# Altium PCB DI543.PcbDoc (part 6 of 8) (continued)
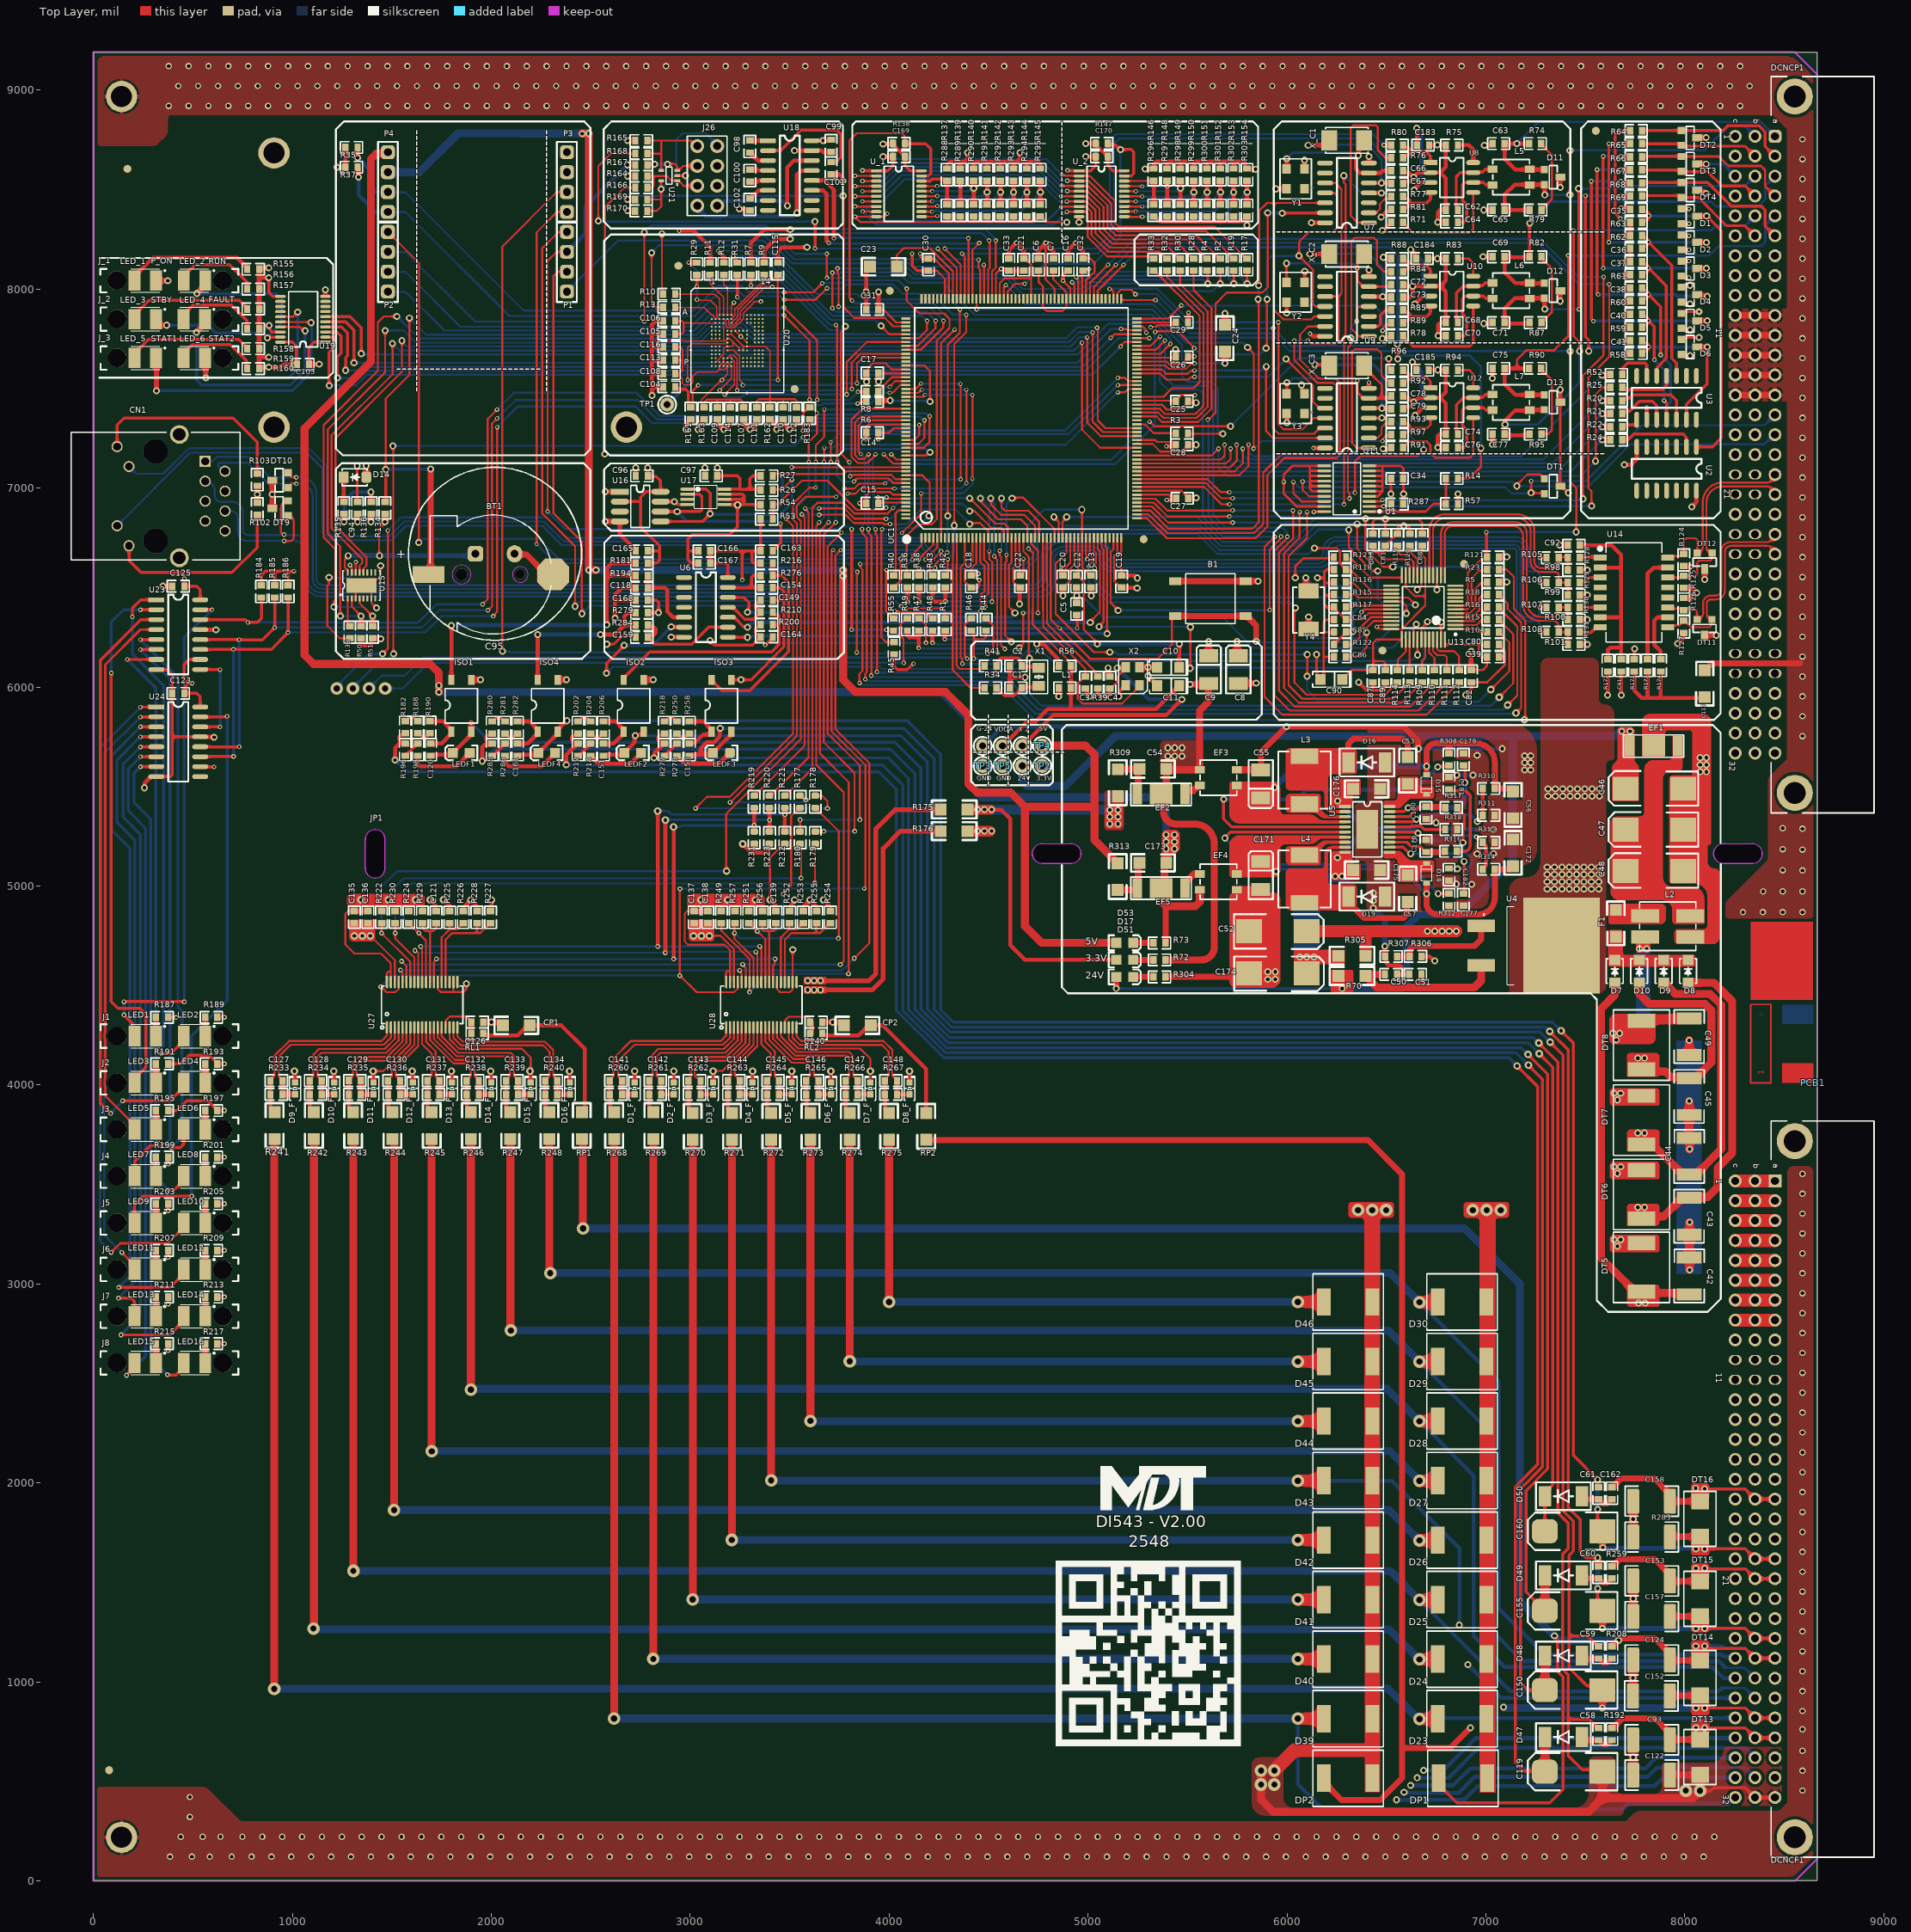
[diagram p0: Top Layer view]
## Nets (pads, with @x,y where several pads share a name; then routed paths per layer and width w, separated by ;. In a path a pad name is that pad's centre, name@x,y a point inside that pad or via, vN(x,y) a via of type N, cw(c..) or ccw(c..) an arc to the next point about the centre after c; other vN are vias at no path point) (continued)
  other v1: 1453.74,6166.36
  other v7: 1223.4,5993.11
NetR44_2: R44.2 R46.2 UC1.29 | length 1151.7
  Top Layer w10: R46.2@4414.5,6283.78 4426,6272.28 4426,6240.16 ; v3(4426,6143) 4426,6240.16 ; R44.2@4488.08,6283.78 4488.08,6253.83 4474.41,6240.16 4426,6240.16 ; v1(4654.53,6197.83) 4674.21,6217.52 v3(4674.21,6373.03) ; UC1.29@4714.4,6750.34 4714.43,6719.63 4748.46,6685.6 4748.46,6373.05 v3@4750.74,6375.33
  Bottom Layer w10: v3(4426,6143) 4426.5,6143.5 4444.1,6143.5 4450.1,6137.5 4594.19,6137.5 v1(4654.53,6197.83) ; v3(4674.21,6373.03) v3(4748.44,6373.03)
NetR45_2: R45.2 UC1.197 | length 1185.9
  Top Layer w10: v3(3964.37,6793.92) 3962.08,6791.63 3962.08,6781.72 3961.2,6780.85 3961.2,6250.41 3985.73,6225.88 R45.2@4024.99,6225.88 ; UC1.197@4084.48,7065.3 4165.7,7065.3 4204,7027 4204,6869.07 4203.74,6868.81 4203.74,6866.62 4200,6862.88 v1(4200,6860.18)
  Bottom Layer w10: v3(3964.37,6793.92) 3964.58,6793.72 4048.43,6793.72 4054.46,6799.75 4139.57,6799.75 v1(4200,6860.18)
NetR46_1: R46.1 | length 3293.1
  Top Layer w10: v3(4392.8,6143) 4392.8,6145.85 4379.92,6158.73 4379.92,6313.71 4408.76,6342.54 R46.1@4408.76,6344.78
  Bottom Layer w10: v7@1384.98,5993.11 1449.94,6058.07 1564.96,6058.07 1654.89,6148 4380.94,6148 4383.64,6145.3 4390.5,6145.3 v3(4392.8,6143)
  other v7: 1385.49,5993.11
NetR47_2: R47.2 R49.2 UC1.30 | length 1735.2
  Top Layer w10: R49.2@4091.66,6283.78 R49.2@4093.33,6282.11 ; v1(4511.81,6949.8) 4512.82,6948.8 4512.82,6917.3 4563.98,6866.14 4679.13,6866.14 4733.77,6811.5 4733.77,6811.19 ; v9(4529,6658) 4529,6655.02 4543.35,6640.68 4543.35,6173.19 v3(4545.28,6171.26) ; UC1.30@4734.09,6750.34 4734.09,6811.19
  Top Layer w15: R49.2@4093.33,6282.11 4093.33,6254.11 4099.41,6248.03 4148.62,6248.03
  Top Layer w20: v3(4148.76,6196.44) 4148.76,6277.78 4152.42,6281.45 R47.2@4152.42,6283.78
  Bottom Layer w10: v3(4148.76,6196.44) 4151.05,6194.15 4159.54,6194.15 4160.4,6193.28 4523.25,6193.28 v3(4545.28,6171.26) ; v1(4511.81,6949.8) 4511.81,6943.04 4529,6925.85 v9(4529,6658)
NetR48_2: R48.2 UC1.31 | length 1557.2
  Top Layer w10: v3(4556,6685) 4556,6661.52 4563.35,6654.17 4563.35,6210.35 4581.69,6192.01 v3(4581.69,6191.93) ; v1(4564.96,6949.8) 4564.96,6904.53 4582.68,6886.81 4699.8,6886.81 4753.77,6832.84 UC1.31@4753.77,6750.34
  Top Layer w20: R48.2@4216.14,6283.78 4217.52,6282.4 v3@4217.52,6222.44
  Bottom Layer w10: v3@4217.52,6222.44 4221.75,6222.44 4229.88,6214.32 4559.31,6214.32 v3(4581.69,6191.93) ; v3(4556,6685) 4556,6687.9 4564.96,6696.86 v1(4564.96,6949.8)
  other v3: 4218.5,6222.44
NetR49_1: R49.1 | length 2904.8
  Top Layer w10: v3(4074,6122) 4072.83,6123.17 4072.83,6242.13 4058.07,6256.89 4058.07,6317.64 4074.21,6333.78 4077.71,6333.78 R49.1@4088.71,6344.78
  Bottom Layer w10: v7@1466.54,5994.09 1556.1,5994.09 1684.24,6122.24 4073.76,6122.24 v3(4074,6122)
  other v7: 1466.54,5993.11
NetR50_2: R50.2 U15.2 UC1.75 | length 6203.6
  Top Layer w10: v1(1241.14,6357.28) v1(1241.14,6357.28) 1241.1,6707.72 1177.44,6771.38 1177.44,7293.58 1466.54,7582.68 v1(1466.54,7792.32) ; U15.2@1298.6,6445.75 1298.6,6404.15 v1(1346.06,6356.69) ; v3(5022.81,7783) 5023,7782.81 5023,7334 5075.16,7281.84 UC1.75@5245.9,7281.84
  Top Layer w25: R50.2@1346.06,6306.4 v1(1346.06,6356.69)
  Bottom Layer w10: v1(1241.14,6357.28) 1241.44,6356.99 1345.77,6356.99 v1(1346.06,6356.69) ; v1(1466.54,7792.32) 1560.04,7792.32 1620.76,7731.6 3048.6,7731.6 3124.66,7807.66 3255.34,7807.66 3328.99,7734 4905,7734 4955.16,7784.16 5021.65,7784.16 v3(5022.81,7783)
NetR51_2: R51.2 U15.4 UC1.76 | length 6395.4
  Top Layer w10: v1(1208.6,6402.56) 1208.6,6431.75 1216.91,6440.06 1216.91,6692.54 1157.44,6752.01 1157.44,7316.89 1430.12,7589.57 1430.12,7832.68 1460.63,7863.19 v1(1525.59,7863.19) ; U15.4@1337.98,6445.75 1337.98,6422.01 v1(1403.3,6356.69) ; v3(5045.83,7806.02) 5048.12,7803.72 5048.12,7794.45 5049.48,7793.1 5049.48,7340.52 5088.48,7301.52 UC1.76@5245.9,7301.52
  Top Layer w25: R51.2@1403.3,6306.4 v1@1403.3,6360.48
  Bottom Layer w10: v1(1208.6,6402.56) 1357.43,6402.56 v1(1403.3,6356.69) ; v1(1525.59,7863.19) 1526.57,7863.19 1638.17,7751.6 3040.31,7751.6 3116.47,7827.76 3263.78,7827.76 3337.54,7754 4890,7754 4945.1,7809.1 5033.48,7809.1 5034.26,7808.32 5043.53,7808.32 v3(5045.83,7806.02)
NetR52_1: R52.1 UC1.64 | length 2723.3
  Top Layer w10: UC1.64@5245.9,7065.3 5761.3,7065.3 5806.14,7110.14 5806.14,7217.83 v3(5807.21,7218.9) ; R52.1@7621.32,7567 R52.1@7626,7571.68
  Top Layer w25: v1(7585,7567) R52.1@7621.32,7567
  Bottom Layer w10: v3(5807.21,7218.9) 5806.14,7217.83 5806.14,7184.02 5829.66,7160.5 7178.5,7160.5 v1(7585,7567)
NetR53_1: R53.1 R54.1 UC1.203 | length 911.2
  Top Layer w10: R53.1@3415.43,6844.72 R54.1@3415.43,6917.04 3417.06,6918.67 3441.67,6918.67 3561,7038 3690,7038 3837.25,6890.75 3973.2,6890.75 3983.96,6901.51 v3(3984.82,6901.51) ; v3(3987.21,6954.28) 3990.46,6954.28 3997.55,6947.19 UC1.203@4084.48,6947.19
  Bottom Layer w10: v3(3984.82,6901.51) 3986.02,6902.71 3986.02,6953.09 v3(3987.21,6954.28)
NetR71_1: R71.1 U8.5 | length 566.8
  Top Layer w11.81: R71.1@6585,8336.94 6585,8333.44 6633.44,8285 6920,8285 6936.5,8301.5 U8.5@6936.5,8486.38
NetR74_1: R74.1 R79.2 | length 376.8
  Top Layer w11.81: R74.1@7279,8732 7279,8728.5 7331.69,8675.81 7331.69,8452.19 7281,8401.5 R79.2@7281,8398
NetR75_2: R75.2 U8.8 | length 152.2
  Top Layer w20: R75.2@6860,8724.22 6915.78,8724.22 6936.5,8703.5 U8.8@6936.5,8636.38
NetR76_1: R76.1 R80.2 U8.1 | length 256.9
  Top Layer w15: R76.1@6585,8659.68 6585,8663.02 6593.5,8671.52 6610.48,8671.52 6619.27,8680.31 6619.27,8691.95 ; R80.2@6585,8724.22 6585,8720.88 6593.5,8712.38 6610.48,8712.38 6619.27,8703.59 6619.27,8691.95 ; U8.1@6721.5,8636.38 6721.5,8668.5 6698.05,8691.95 6619.27,8691.95
NetR76_2: R76.2 U7.1 | length 892.6
  Top Layer w10: U7.1@6412,8334 6356,8334 6320.87,8369.13 6320.87,8810.84 6334.03,8824 6448,8824 6457.68,8814.32 6457.68,8697.32 6495.32,8659.68 R76.2@6524,8659.68
NetR77_1: R77.1 R81.2 U8.4 | length 253.6
  Top Layer w15: R81.2@6585,8404.91 6585,8405.03 6593.5,8413.53 6610.32,8413.53 6619.11,8422.32 6619.11,8433.7 ; R77.1@6585,8465.89 6585,8462.58 6593.5,8454.08 6610.32,8454.08 6619.11,8445.29 6619.11,8433.7 ; U8.4@6721.5,8486.38 6721.5,8451.5 6703.7,8433.7 6619.11,8433.7
NetR77_2: R77.2 U7.2 | length 163.3
  Top Layer w10: U7.2@6412,8384 6414.68,8386.68 6451.64,8386.68 6467.52,8402.56 6467.52,8428.52 6493,8454 6506.71,8454 6506.79,8454.07 6515.5,8454.07 6524,8462.57 R77.2@6524,8466.07
NetR78_1: R78.1 U10.5 | length 566.8
  Top Layer w15: R78.1@6585,7766 6585,7762.5 6633.5,7714 ; 6633,7714 6919.5,7714 6936,7730.5 ; 6936.5,7730.5 U10.5@6936.5,7915.38
NetR80_1: R80.1 UC1.146 | length 3071
  Top Layer w10: v3(4279.46,8203.85) 4280.61,8202.7 4281.76,8201.55 4360.07,8123.24 UC1.146@4360.07,7951.13 ; R80.1@6523.78,8724 R80.1@6524,8724.22
  Top Layer w20: v4(6488,8724) R80.1@6523.78,8724
  Bottom Layer w10: v3(4279.46,8203.85) 4280.61,8205 5044,8205 5110,8271 5110,8747 5142.53,8779.53 6432.47,8779.53 v4(6488,8724)
NetR81_1: R81.1 UC1.145 | length 3313.3
  Top Layer w10: v3(4366.14,8179) 4379.76,8165.38 UC1.145@4379.76,7951.13
  Top Layer w20: v1(6474.07,8362.93) 6503.18,8392.04 6518,8392.04 6524,8398.04 R81.1@6524,8401.54
  Bottom Layer w10: v3(4366.14,8179) 5049,8179 5131,8261 5131,8732 5156.87,8757.87 6406.5,8757.87 6513.78,8650.59 6513.78,8404.13 6474.07,8364.43 v1(6474.07,8362.93)
NetR82_1: R82.1 R87.2 | length 374.3
  Top Layer w11.81: R82.1@7279,8161 7279,8157.5 7331.69,8104.81 7331.69,7883.69 7293.59,7845.59 7290.09,7845.59 7280,7835.5 R87.2@7280,7832
NetR83_2: R83.2 U10.8 | length 151.9
  Top Layer w11.81: R83.2@6860,8153.83 6914.17,8153.83 6936.5,8131.5 U10.8@6936.5,8065.38
NetR84_1: R84.1 R88.2 U10.1 | length 253.3
  Top Layer w15: R84.1@6585,8088.68 6585,8091.81 6593.5,8100.31 6610.37,8100.31 6619.27,8109.2 6619.27,8120.95 ; R88.2@6585,8149.72 6585,8149.49 6593.5,8140.99 6610.48,8140.99 6619.27,8132.21 6619.27,8120.95 ; U10.1@6721.5,8065.38 6721.5,8097.5 6698.05,8120.95 6619.27,8120.95
NetR84_2: R84.2 U9.1 | length 892.5
  Top Layer w10: U9.1@6412,7763 6362.98,7763 6324,7801.98 6324,8241 6342,8259 6437.85,8259 6452.74,8244.11 6452.74,8122.26 6486.32,8088.68 R84.2@6524,8088.68
NetR85_1: R85.1 R89.2 U10.4 | length 250.2
  Top Layer w15: R89.2@6585,7833.91 6585,7833.97 6593.5,7842.47 6610.32,7842.47 6619.11,7851.25 6619.11,7862.7 ; R85.1@6585,7891.45 6593.5,7882.95 6610.32,7882.95 6619.11,7874.16 6619.11,7862.7 ; U10.4@6721.5,7915.38 6721.5,7880.5 6703.7,7862.7 6619.11,7862.7
NetR85_2: R85.2 U9.2 | length 172.7
  Top Layer w15: U9.2@6412,7813 6459.72,7813 6469.5,7822.78 6469.5,7868.5 6495.89,7894.89 R85.2@6524,7894.94
NetR88_1: R88.1 UC1.105 | length 1949.2
  Top Layer w10: UC1.105@5167.16,7951.13 5167.16,7945.91 5167.88,7945.19 5339.05,7945.19 v3(5339.68,7945.81) ; R88.1@6523.17,8152 R88.1@6524,8152.83
  Top Layer w20: v1(6485.24,8160.43) 6488.11,8157.56 6518,8157.56 6523.17,8152.4 R88.1@6523.17,8152
  Bottom Layer w10: v3(5339.68,7945.81) 5342.32,7945.81 5510.13,7778 5956.25,7778 6018.57,7715.68 6490.68,7715.68 6528.54,7753.54 6528.54,8122.81 6490.92,8160.43 v1(6485.24,8160.43)
NetR89_1: R89.1 UC1.104 | length 1430.6
  Top Layer w10: UC1.104@5245.9,7852.7 5403.7,7852.7 v3(5469.15,7918.15) ; v4(6481.3,7791.42) 6483.98,7794.1 6483.98,7806.81 6498.86,7821.69 6515.22,7821.69 R89.1@6524,7830.47
  Bottom Layer w10: v3(5469.15,7918.15) 5469.86,7917.45 6439.36,7917.45 6481.3,7875.51 v4(6481.3,7791.42)
NetR90_1: R90.1 R95.2 | length 390.9
  Top Layer w11.81: R90.1@7279,7600 7279,7596.5 7332,7543.5 7332,7291 7313.45,7272.45 7283.95,7272.45 R95.2@7281,7269.5
NetR91_1: R91.1 U12.5 | length 612.7
  Top Layer w11.81: R91.1@6585,7205 6585,7208.5 6595.09,7218.59 6598.59,7218.59 6615,7235 6702,7235 6722,7215 6722,7179 6748,7153 6920,7153 6936.5,7169.5 U12.5@6936.5,7354.38
NetR92_1: R92.1 R96.2 U12.1 | length 257.2
  Top Layer w11.81: R92.1@6585,7527.68 6585,7531.18 6595.09,7541.28 6612.35,7541.28 6619.27,7548.2 6619.27,7559.95 ; R96.2@6585,7592.22 6585,7588.72 6595.09,7578.63 6612.35,7578.63 6619.27,7571.71 6619.27,7559.95 ; U12.1@6721.5,7504.38 6721.5,7536.5 6698.05,7559.95 6619.27,7559.95
NetR92_2: R92.2 U11.1 | length 892.8
  Top Layer w10: U11.1@6412,7202 6352.79,7202 6327.76,7227.03 6327.76,7685.76 6340,7698 6455,7698 6475,7678 6475,7566 6499.79,7541.21 6513.91,7541.21 6524,7531.12 R92.2@6524,7527.68
NetR93_1: R93.1 R97.2 U12.4 | length 257.4
  Top Layer w11.81: R97.2@6585,7269.44 6585,7272.91 6595.09,7283 6612.19,7283 6619.11,7289.92 6619.11,7301.7 ; R93.1@6585,7333.89 6585,7330.49 6595.09,7320.39 6612.19,7320.39 6619.11,7313.47 6619.11,7301.7 ; U12.4@6721.5,7354.38 6721.5,7319.5 6703.7,7301.7 6619.11,7301.7
NetR93_2: R93.2 U11.2 | length 166.9
  Top Layer w10: U11.2@6412,7252 6413.59,7253.59 6456.59,7253.59 6475,7272 6475,7305 6495.06,7325.06 6518,7325.06 6524,7331.06 R93.2@6524,7333.89
NetR94_2: R94.2 U12.8 | length 154.3
  Top Layer w11.81: R94.2@6860,7593 6918,7593 6936.5,7574.5 U12.8@6936.5,7504.38
NetR96_1: R96.1 UC1.193 | length 2893.5
  Top Layer w10: v3(4010.84,7170.29) 4010.84,7169.63 4036.43,7144.04 UC1.193@4084.48,7144.04 ; v3(5310,7334.58) 5333.48,7311.1 5716.46,7311.1 v1(5716.54,7311.02) ; v1(6512.8,7650.59) 6512.8,7612.5 6513,7612.29 6513,7603.14 R96.1@6524,7592.14
  Bottom Layer w10: v3(4010.84,7170.29) 4011.54,7170.29 4039.83,7142 5117.42,7142 v3(5310,7334.58) ; v1(5716.54,7311.02) 6058.09,7652.58 6510.81,7652.58 v1(6512.8,7650.59)
NetR97_1: R97.1 UC1.142 | length 2742.8
  Top Layer w10: UC1.142@4438.81,7951.13 4439.66,7950.28 4439.66,7899.45 v3(4440.51,7898.6) ; v1(5802.17,7707.68) 5833.21,7676.63 5833.21,7199.91 v3(5832.14,7198.84) ; v3@6480.46,7237.54 6483.36,7240.45 6483.36,7249.36 6498.86,7264.86 6519.33,7264.86 R97.1@6524,7269.52
  Bottom Layer w10: v3(4440.51,7898.6) 4441.06,7898.05 5324.13,7898.05 5491.87,7730.32 5779.53,7730.32 v1(5802.17,7707.68) ; v3(5832.14,7198.84) 5834.77,7198.84 5872.87,7236.94 v3(6481.06,7236.94)
NetR104_1: R104.1 UC1.38 | length 3262
  Top Layer w10: 4890.75,6674.21 4837.6,6621.06 4837.6,6367.35 5029.76,6175.2 v1(5109.25,6175.2) ; 4891.57,6675.03 UC1.38@4891.57,6750.34 ; v1(6101.38,6055.12) 6102.36,6056.1 v1(6102.36,6163.98) v1@6102.36,6171.85 ; v5(7025.59,5988.19) 7117.83,6080.43 7117.83,6224.04 7079.1,6262.77 7077.27,6262.77 7066.27,6273.77 R104.1@7066.27,6275.6
  Bottom Layer w10: v1(5109.25,6175.2) 5139.76,6175.2 5150.99,6163.98 v1(6102.36,6163.98) ; v1(6101.38,6055.12) 6101.38,5986.22 6161.42,5926.18 6963.58,5926.18 v5(7025.59,5988.19)
NetR104_2: R104.2 U13.1 | length 165
  Top Layer w10: U13.1@6847.23,6292.36 6954.98,6292.36 6971.74,6275.6 R104.2@7005.27,6275.6
NetR109_1: R109.1 UC1.57 | length 2545.9
  Top Layer w10: UC1.57@5245.9,6927.51 5330.37,6927.51 5400.27,6857.6 v3(5711.16,6857.6) ; v3@6064,6881.82 v3(6064,6880.84) 6064,6750.02 5986.22,6672.24 5986.22,5995.08 6059.69,5921.61 6577.15,5921.61 R109.1@6680.01,6024.48
  Bottom Layer w10: v3(5711.16,6857.6) 6044.96,6857.6 6061.7,6874.34 6061.7,6879.53 v3@6064,6881.82
NetR109_2: R109.2 U13.43 | length 160.2
  Top Layer w10: R109.2@6680.01,6085.48 6680.12,6085.59 6680.12,6132.87 6695.66,6148.41 U13.43@6695.66,6239.22
NetR110_1: R110.1 UC1.58 | length 2607.9
  Top Layer w10: UC1.58@5245.9,6947.19 5339.22,6947.19 5398.22,6888.2 v3(5726.91,6888.2) ; v3@6030.51,6883.6 6031.5,6882.62 6031.5,6747.77 5960.63,6676.9 5960.63,5981.3 6040.32,5901.61 6619.05,5901.61 R110.1@6741.91,6024.48
  Bottom Layer w10: v3@5726.91,6887.58 6026.53,6887.58 6028.22,6885.9 v3@6030.51,6883.6
  other v3: 6030.51,6887.54
NetR110_2: R110.2 U13.44 | length 164.7
  Top Layer w10: U13.44@6715.34,6239.22 6715.34,6173.44 6741.91,6146.87 R110.2@6741.91,6085.48
NetR111_1: R111.1 UC1.96 | length 3451.6
  Top Layer w10: UC1.96@5245.9,7695.22 5340.45,7695.22 5386.81,7741.59 v3(5386.81,7742.03) ; v3(6002.61,6755.65) 6002.61,6754.43 5996.1,6747.92 5996.1,6743.85 5939.8,6687.55 5939.8,5955.87 6014.06,5881.61 6660.95,5881.61 R111.1@6803.81,6024.48
  Bottom Layer w10: v3(5386.81,7742.03) 5386.81,7558.07 5431.1,7513.78 5606.22,7513.78 5628.94,7491.06 5628.94,6865.06 5693,6801 5834.63,6801 5835.27,6801.65 5976.9,6801.65 6000.31,6778.23 6000.31,6757.94 v3(6002.61,6755.65)
NetR111_2: R111.2 U13.45 | length 204.7
  Top Layer w10: U13.45@6735.03,6239.22 6735.03,6181.31 6755.91,6160.43 6794.29,6160.43 6803.81,6150.91 R111.2@6803.81,6085.48
NetR112_1: R112.1 UC1.97 | length 3536.9
  Top Layer w10: UC1.97@5245.9,7714.91 5314.49,7714.91 v3(5362.06,7762.48) ; v3(5938.65,6755.65) 5887.8,6704.78 5887.8,5950.79 5976.97,5861.61 6702.86,5861.61 R112.1@6865.72,6024.48
  Bottom Layer w10: v3(5362.06,7762.48) 5360.81,7761.23 5360.81,7535.84 5402.87,7493.78 5562.22,7493.78 5576.94,7479.06 5576.94,6856.63 5677.94,6755.63 v3(5938.65,6755.65)
NetR112_2: R112.2 U13.46 | length 244.1
  Top Layer w10: U13.46@6754.71,6239.22 6754.81,6239.12 6754.81,6191.06 6764.76,6181.1 6840.55,6181.1 6865.72,6155.94 R112.2@6865.72,6085.48
NetR113_1: R113.1 UC1.56 | length 2495
  Top Layer w10: UC1.56@5245.9,6907.82 5321.77,6907.82 5402.59,6827 v3@5725.92,6827 ; v3(6101.15,6880.84) 6101.15,6750.75 6008.86,6658.46 6008.86,6008.86 6076.1,5941.61 6535.24,5941.61 R113.1@6618.1,6024.48
  Bottom Layer w10: v3@5725.92,6827 v3(5726.91,6827) 6048.29,6827 v3@6103.12,6881.82
NetR113_2: R113.2 U13.39 | length 154.2
  Top Layer w10: U13.39@6616.92,6239.22 6616.92,6086.66 R113.2@6618.1,6085.48
NetR114_1: R114.1 UC1.44 | length 2281.9
  Top Layer w10: v3(5003.36,6607.29) 5003.36,6610.53 5021.31,6628.48 5021.31,6661.69 5009.68,6673.32 UC1.44@5009.68,6750.34 ; v1@6037.8,6406.5 6037.8,6023.23 6099.41,5961.61 6493.34,5961.61 R114.1@6556.2,6024.48
  Bottom Layer w10: v3(5003.36,6607.29) 5003.65,6607 5003.65,6526.42 5103.9,6426.18 6015.55,6426.18 v1(6043.11,6398.62)
NetR114_2: R114.2 U13.38 | length 170.7
  Top Layer w10: R114.2@6556.2,6085.48 6557.09,6086.36 6557.09,6137.8 6597.23,6177.94 U13.38@6597.23,6239.22
NetR116_1: R116.1 U13.27 | length 251.2
  Top Layer w10: R116.1@6297.23,6523.52 6299.31,6525.59 6331.69,6525.59 6387.75,6469.53 U13.27@6524.4,6469.53
NetR117_2: R117.2 U13.30 UC1.45 | length 1802.1
  Top Layer w10: UC1.45@5029.36,6750.34 5029.36,6681.64 5039.18,6671.82 5039.18,6621.07 5034.03,6615.92 v3(5034.03,6597.98) ; R117.2@6297.23,6399.56 R117.2@6308.11,6410.43 ; v3@6331.71,6410.45 U13.30@6524.4,6410.48
  Top Layer w18: R117.2@6308.11,6410.43 v3@6331.69,6410.43
  Bottom Layer w10: v3@5036,6597 5034.03,6595.03 5034.03,6534.87 5118.11,6450.79 6292.05,6450.79 v3@6331.69,6411.14
  other v3: 6331.69,6411.42
NetR119_1: R119.1 U13.21 | length 198.3
  Top Layer w10: R119.1@6556.2,6710.48 6558.07,6708.6 6558.07,6679.13 6570.87,6666.34 6599.41,6666.34 6636.29,6629.46 6636.29,6629.15 ; U13.21@6636.6,6562.05 6636.6,6629.15
NetR120_1: R120.1 U13.20 | length 164.2
  Top Layer w10: R120.1@6618.1,6710.48 6618.1,6680.13 6656.29,6641.94 U13.20@6656.29,6562.05
NetR121_2: R121.2 U13.7 UC1.135 | length 4901
  Top Layer w10: UC1.135@4576.61,7951.13 4576.61,8008.72 4586.41,8018.53 v3(4586.41,8021.23) ; U13.7@6847.23,6410.48 6896.7,6410.48 6909.45,6423.23 6909.45,6574.8 6980.13,6645.48 7003.28,6645.48 R121.2@7005.27,6647.47 ; R121.2@7002.95,6656.47 R121.2@7005.27,6654.15 R121.2@7005.27,6647.64 ; v1(7424.21,7688.98) 7424.21,7031.5 7454.72,7000.98 v1(7454.72,6779.53)
  Top Layer w15: R121.2@7002.95,6656.47 v3(7002.95,6779)
  Bottom Layer w10: v3(4586.41,8021.23) 4683.43,7924.21 5324.5,7924.21 5330.67,7918.05 5333.31,7918.05 5495.36,7756 5944.79,7756 6011.81,7688.98 v1(7424.21,7688.98) ; v3(7002.95,6779) 7003.22,6779.26 7454.46,6779.26 v1(7454.72,6779.53)
NetR122_2: R122.2 U13.33 | length 311.3
  Top Layer w10: R122.2@6297.23,6213.62 6330.75,6213.62 6365.16,6248.03 6365.16,6294.29 6421.94,6351.07 6524.05,6351.07 U13.33@6524.4,6351.42
NetR123_2: R123.2 U13.24 | length 332.4
  Top Layer w10: R123.2@6297.23,6647.47 6300.73,6643.97 6324.53,6643.97 6418.31,6550.2 6577.45,6550.2 6577.55,6550.29 U13.24@6577.55,6562.05
NetR133_1: R133.1 U15.14 | length 637.2
  Top Layer w9.84: 1176.18,6306.1 1176.18,6510.83 1184.05,6518.7 v1@1184.05,6552.17 ; 1178.15,6306.1 1238.86,6245.4 R133.1@1288.83,6245.4 ; U15.14@1318.29,6575.75 1318.29,6620.66 1318.52,6620.89 1318.52,6623.77 1318.82,6624.07 1318.82,6630.52 v3@1320.77,6632.46
  Bottom Layer w9.84: v1@1189.96,6548.23 1285.43,6548.23 1320.77,6583.56 v3@1320.77,6632.46
  other v1: 1184.41,6552.17
  other v3: 1318.8,6628.53
NetR133_2: R133.2 U15.1 | length 143.5
  Top Layer w10: U15.1@1278.91,6445.75 1278.91,6316.31 R133.2@1288.83,6306.4
NetR135_1: R135.1 R136.2 | length 339.3
  Top Layer w15: R135.1@1258.89,6870.16 R135.1@1259.37,6869.68 ; v1@1259.37,6835.12 v1@1259.84,6834.65
  Top Layer w20: v1(1395.67,6980.32) 1396.16,6979.83 1396.16,6931.65 R136.2@1396.65,6931.16
  Top Layer w25: v1@1259.37,6835.12 R135.1@1259.37,6869.68
  Bottom Layer w20: v1@1259.84,6834.65 1261.97,6836.78 1261.97,6935.2 1307.09,6980.32 v1(1395.67,6980.32)
  other v1: 1259.84,6830.71
NetR137_1: R137.1 R288.2 U_1.18 | length 249.6
  Top Layer w15: U_1.18@4162.8,8543.74 4206.74,8543.74 4217.13,8554.13 R137.1@4289.53,8554.13
  Top Layer w20: R288.2@4291.84,8426.98 R137.1@4291.84,8545.54
NetR139_1: R139.1 R289.2 U_1.17 | length 316.1
  Top Layer w10: U_1.17@4162.8,8518.15 4162.95,8518.31 4242.45,8518.31 v6(4242.61,8518.46)
  Top Layer w20: R289.2@4358.73,8426.98 R139.1@4358.73,8545.54
  Bottom Layer w10: v6(4242.61,8518.46) 4242.84,8518.23 4359.77,8518.23 v3@4360,8518
  other v3: 4359,8519.97
NetR140_1: R140.1 R290.2 U_1.16 | length 388
  Top Layer w10: U_1.16@4162.8,8492.56 v6(4216.88,8492.56)
  Top Layer w20: R290.2@4425.62,8426.98 R140.1@4425.62,8545.54
  Bottom Layer w10: v6(4216.88,8492.56) 4217.79,8493.46 4301.9,8493.46 4302.37,8493 4407.64,8493 4421.42,8506.78 v1(4426,8506.78)
NetR141_1: R141.1 R291.2 U_1.15 | length 458.6
  Top Layer w10: U_1.15@4162.8,8466.97 4163.39,8467.56 4241.7,8467.56 v6(4242.61,8468.46)
  Top Layer w20: R291.2@4492.51,8426.98 4493.26,8427.73 R141.1@4493.26,8545.54
  Bottom Layer w10: v6(4242.61,8468.46) 4243.51,8467.56 4472.37,8467.56 v1(4493,8488.19)
NetR142_1: R142.1 R292.2 U_1.14 | length 535.9
  Top Layer w10: U_1.14@4162.8,8441.38 4163.09,8441.08 v6@4216.88,8441.08
  Top Layer w20: R292.2@4559.4,8426.98 4560.2,8427.78 R142.1@4560.2,8545.54
  Bottom Layer w10: v6(4216.88,8440.79) 4218.8,8442.7 4231.49,8442.7 4232.25,8443.46 4515.28,8443.46 v1(4560,8488.19)
NetR143_1: R143.1 R293.2 U_1.13 | length 613
  Top Layer w10: U_1.13@4162.8,8415.79 4227.24,8415.79 4228,8416.55 4240.69,8416.55 v6(4242.61,8418.46)
  Top Layer w20: R293.2@4626.29,8426.98 R143.1@4626.29,8545.54
  Bottom Layer w10: v6(4242.61,8418.46) 4244.07,8417 4554.81,8417 v1(4626,8488.19)
NetR144_1: R144.1 R294.2 U_1.12 | length 689.8
  Top Layer w10: U_1.12@4162.8,8390.2 4163.09,8389.9 4216.59,8389.9 v6(4216.88,8389.61)
  Top Layer w20: R294.2@4693.18,8426.98 R144.1@4693.18,8545.54
  Bottom Layer w10: v6(4216.88,8389.61) 4218.81,8391.52 4230.31,8391.52 4232.25,8393.46 4598.28,8393.46 v1(4693,8488.19)
NetR145_1: R145.1 R295.2 U_1.11 | length 768.8
  Top Layer w10: U_1.11@4162.8,8364.61 4217.59,8364.61 4227.23,8364.6 4229.19,8366.55 4240.69,8366.55 v6(4242.61,8368.46)
  Top Layer w20: R295.2@4761,8427.91 4760.45,8428.46 4760.45,8487.81 v1(4760.83,8488.19) 4760.45,8488.57 4760.45,8544.99 R145.1@4761,8545.54
  Bottom Layer w10: v6(4242.61,8368.46) 4244.07,8367 4639.64,8367 v1(4760.83,8488.19)
NetR146_1: R146.1 R296.2 U_2.18 | length 268.4
  Top Layer w10: U_2.18@5182,8543.74 5329.24,8543.74 R146.1@5331.05,8545.54
  Top Layer w20: R296.2@5331.05,8426.98 R146.1@5331.05,8545.54
NetR148_1: R148.1 R297.2 U_2.17 | length 335.4
  Top Layer w10: U_2.17@5182,8518.15 5182.07,8518.07 5271.93,8518.07 v6(5273,8517)
  Top Layer w20: R297.2@5397.94,8426.98 R148.1@5397.94,8545.54
  Bottom Layer w10: v6(5273,8517) 5273.34,8516.66 5397.58,8516.66 v3@5398,8517.09
  other v3: 5398,8518.07
NetR149_1: R149.1 R298.2 U_2.16 | length 407.2
  Top Layer w10: U_2.16@5182.56,8492 v6(5240,8492)
  Top Layer w15: R298.2@5464.83,8426.98 R298.2@5464.91,8427.07
  Top Layer w20: R298.2@5464.83,8426.98 R149.1@5464.83,8545.54
  Bottom Layer w10: v6(5240,8492) 5446.64,8492 5461.42,8506.78 v1(5465,8506.78)
NetR150_1: R150.1 R299.2 U_2.15 | length 478.9
  Top Layer w10: U_2.15@5182,8466.97 5182.43,8466.6 5272.64,8466.6 v6(5273,8466.24)
  Top Layer w20: R299.2@5531.72,8426.98 R150.1@5531.72,8545.54
  Bottom Layer w10: v6(5273,8466.24) 5274.15,8465.09 5508.9,8465.09 v1(5532,8488.19)
NetR151_1: R151.1 R300.2 U_2.14 | length 554.7
  Top Layer w10: U_2.14@5182.48,8440.89 v6(5240,8440.89)
  Top Layer w20: R300.2@5598.61,8426.98 R151.1@5598.61,8545.54
  Bottom Layer w10: v6(5240,8440.89) 5240.11,8441 5551.81,8441 v1(5599,8488.19)
NetR152_1: R152.1 R301.2 U_2.13 | length 632.5
  Top Layer w10: U_2.13@5182,8415.79 5182.11,8415.89 5272.89,8415.89 v6(5273,8416)
  Top Layer w20: R301.2@5665.5,8426.98 R152.1@5665.5,8545.54
  Bottom Layer w10: v6(5273,8416) 5593.81,8416 v1(5666,8488.19)
NetR153_1: R153.1 R302.2 U_2.12 | length 708.4
  Top Layer w10: U_2.12@5182.7,8390.89 v6(5240,8390.89)
  Top Layer w15: R302.2@5732.19,8427.18 R302.2@5732.39,8426.98
  Top Layer w20: R302.2@5732.39,8426.98 R153.1@5732.39,8545.54
  Bottom Layer w10: v6(5240,8390.89) 5634.7,8390.89 v1(5732,8488.19)
NetR154_1: R154.1 R303.2 U_2.11 | length 787.4
  Top Layer w10: U_2.11@5182.61,8364 v3(5273,8364)
  Top Layer w20: R303.2@5799.28,8426.98 R154.1@5799.28,8545.54
  Bottom Layer w10: v3(5273,8364) 5675.81,8364 v1(5800,8488.19)
NetR166_1: R166.1 UC1.192 | length 3215.3
  Top Layer w10: v1(2570.87,7171.24) 2571.14,7171.52 2571.14,8412.68 2668.82,8510.35 R166.1@2723.92,8510.35 ; UC1.192@4084.48,7163.73 4186.74,7163.73 4203.13,7180.12 v1(4205.71,7180.12)
  Bottom Layer w10: v1(2570.87,7171.24) 3731.28,7171.24 3757.04,7197 4187.2,7197 4204.08,7180.12 v1(4205.71,7180.12)
NetR168_1: R168.1 UC1.147 | length 2624.9
  Top Layer w10: v1(2538.64,8342.52) 2538.64,8618.37 2601.96,8681.69 R168.1@2723.92,8681.69 ; v3(4245.56,8203.47) 4245.56,8200.98 4340.39,8106.15 UC1.147@4340.39,7951.13
  Top Layer w15: v3(3627.95,8204.72) v1(3627.95,8339.9)
  Bottom Layer w10: v1(2538.64,8342.52) 2541.48,8339.69 3168.96,8339.69 3169.18,8339.9 v1(3627.95,8339.9) ; v3@3627.95,8205 4245.56,8205 4246,8205 v3@4247.53,8203.47
NetR169_1: R169.1 UC1.159 | length 2043.4
  Top Layer w10: v1@3766.73,8469.49 3771.52,8464.7 3771.52,8451.27 3771.66,8451.13 3771.66,7908.46 3824.8,7855.32 3978.35,7855.32 4020.33,7813.33 UC1.159@4084.48,7813.33
  Top Layer w25: v1(2684.85,8451.77) R169.1@2723.74,8451.76
  Bottom Layer w10: v1@2688.79,8451.77 2706.51,8469.49 3031.39,8469.49 cw(c3035.83,8419.69) 3040.26,8469.49 3131.39,8469.49 cw(c3135.83,8419.69) 3140.26,8469.49 3766.73,8469.49 v1@3770.67,8469.49
  other v1: 3768.7,8469.49
NetR173_1: R173.1 U14.15 | length 544.8
  Top Layer w20: R173.1@7812.72,6139.46 7812.72,6569.61 7843.95,6600.84 U14.15@7914.46,6600.84
NetR174_1: R174.1 U14.10 | length 282.4
  Top Layer w20: R174.1@7878.98,6139.46 7878.98,6181.02 7847,6213 7847,6334.2 7863.64,6350.84 U14.10@7914.46,6350.84
NetR177_2: R177.2 UC1.173 | length 3104.6
  Top Layer w9.84: v4@3202,5421 3203,5421 3536.89,5754.89 3536.89,6822.83 3517.36,6842.37 3517.36,6921.42 3597.95,7002 v6(3631,7002) ; R177.2@3552.37,5454.07 3557.54,5454.07 3576.67,5434.94 3580.06,5434.94 v4(3582,5433) ; v6(3632,7132) 3632,7216 3674,7258 v6(3674,7395.92) ; v6(4003,7510) 4030.74,7537.74 UC1.173@4084.48,7537.74
  Bottom Layer w9.84: v4@3202,5421 3570,5421 v4(3582,5433) ; v6(3631,7002) 3631,7131 v6(3632,7132) ; v6(3674,7395.92) 3674.92,7395 3851.81,7395 3963.81,7507 v6@4009,7507
  other v4: 3201,5421
NetR178_1: R178.1 UC1.174 | length 3621.2
  Top Layer w9.84: v4(3027,5391) 3084,5448 3199,5448 3517.58,5766.58 3517.58,6809.71 v3(3480.3,6847) ; v6(3596,7132) 3596,7232.63 3637,7273.63 v6(3637,7377) ; R178.1@3629.12,5454.07 3662.93,5454.07 3690,5427 v4(3690,5390) ; v6(4003,7480) 4003.07,7479.93 4018.41,7479.93 4056.55,7518.06 UC1.174@4084.48,7518.06
  Bottom Layer w9.84: v4(3027,5391) 3689,5391 v4(3690,5390) ; v3(3480.3,6847) 3596,6962.7 v6(3596,7132) ; v6(3637,7377) 3639.75,7377 3646.75,7370 3851.87,7370 3961.87,7480 v6(4003,7480)
NetR179_1: R179.1 UC1.176 | length 3407.1
  Top Layer w9.84: R179.1@3629.12,5273.88 3630.24,5275 v4(3672,5275) ; v3(3732,6828) 3672.07,6768.07 3672.07,5722.93 3826.16,5568.84 3826.16,5276.84 v4(3828,5275) ; v6(3793,6972) 3830,6972 3857,6999 v6@4027,6999 ; UC1.176@4086.25,7478.34 4086.59,7478.69 4146.29,7478.69 4162.6,7495 v6(4165,7495) ; v6(4389,7025) v6(4389.01,7495.51)
  Bottom Layer w9.84: v4(3672,5275) v4(3828,5275) ; v3(3732,6828) 3732,6911 v6(3793,6972) ; v6@4027,6999 4363,6999 v6(4389,7025) ; v6(4165,7495) v6@4387,7495
  other v6: 4027,6998
NetR180_1: R180.1 UC1.177 | length 3514.3
  Top Layer w9.84: R180.1@3552.37,5273.88 3552.68,5274.2 3552.68,5332.68 v4(3553,5333) ; v3(3760,6775.75) 3691.38,6707.13 3691.38,5767.62 3853.08,5605.92 v4(3853.08,5333) ; v6(4064.82,6774.75) 4160.92,6870.85 v6(4160.92,6974.08) ; UC1.177@4086.59,7459 4169.16,7459 4179.17,7469.02 v6(4180,7469.02) ; v6(4419,7048) v6(4419.02,7469.02)
  Bottom Layer w9.84: v4(3553,5333) v4@3851.08,5333 ; v3(3760,6775.75) 3763.29,6775.75 3771.04,6768 4055.32,6768 4062.07,6774.75 v6(4064.82,6774.75) ; v4@3850.58,5333 v4@3856.42,5333 ; v6(4160.92,6974.08) 4161,6974 4373.24,6974 4419,7019.76 v6(4419,7048) ; v6(4180,7469.02) v6(4419.02,7469.02)
NetR182_1: R182.1 R188.2 | length 76.3
  Top Layer w15: R182.1@1567.9,5828.65 1571.4,5828.65 1588.49,5845.74 1609.42,5845.74 1626.52,5828.65 R188.2@1630.02,5828.65
NetR183_1: R183.1 | length 3510.9
  Top Layer w10: v1(1506,7212) 1507.43,7210.57 1507.43,6167.77 v1(1508.86,6166.34) ; v3(3567.27,7256.25) 3570.52,7256.25 3576.52,7262.25 3578.01,7262.25 3600.43,7284.67 R183.1@3600.43,7345.12
  Bottom Layer w10: v7@1301.18,5994.09 1440.94,6133.86 1476.38,6133.86 v1(1508.86,6166.34) ; v1(1506,7212) 1507,7213 3524.02,7213 v3(3567.27,7256.25)
  other v7: 1304.45,5993.11